# Altium PCB PCB1.PcbDoc (part 1 of 2)
Units mm, origin at the board's own origin, x right, y up, seen from the top; angles counter-clockwise.
Board outline 73 x 86 mm, 2 copper layers (Top Layer, Bottom Layer); 89 components, 65 nets, 355 pads, 98 vias.
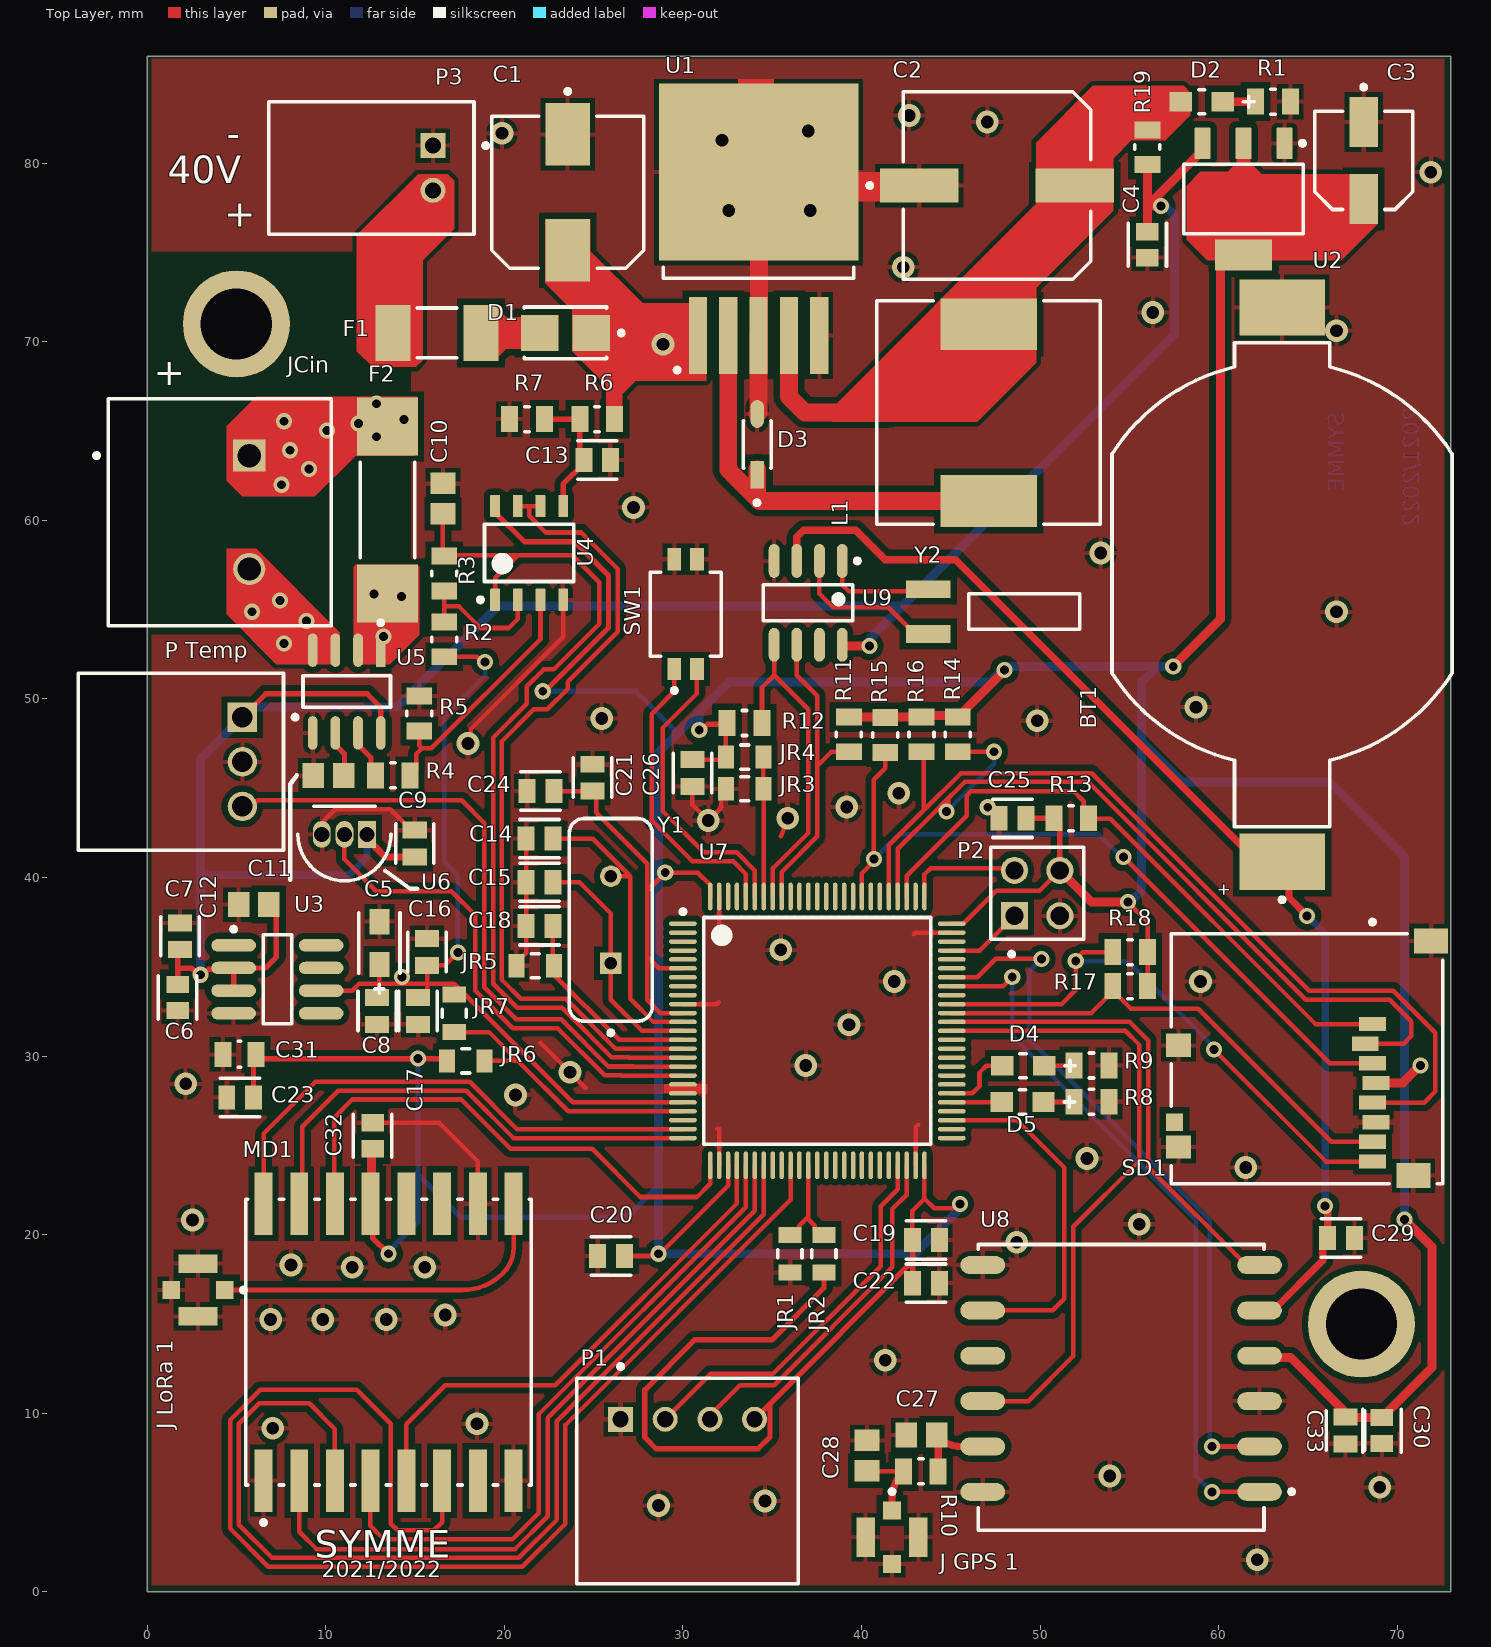
[diagram p0: Top Layer view]
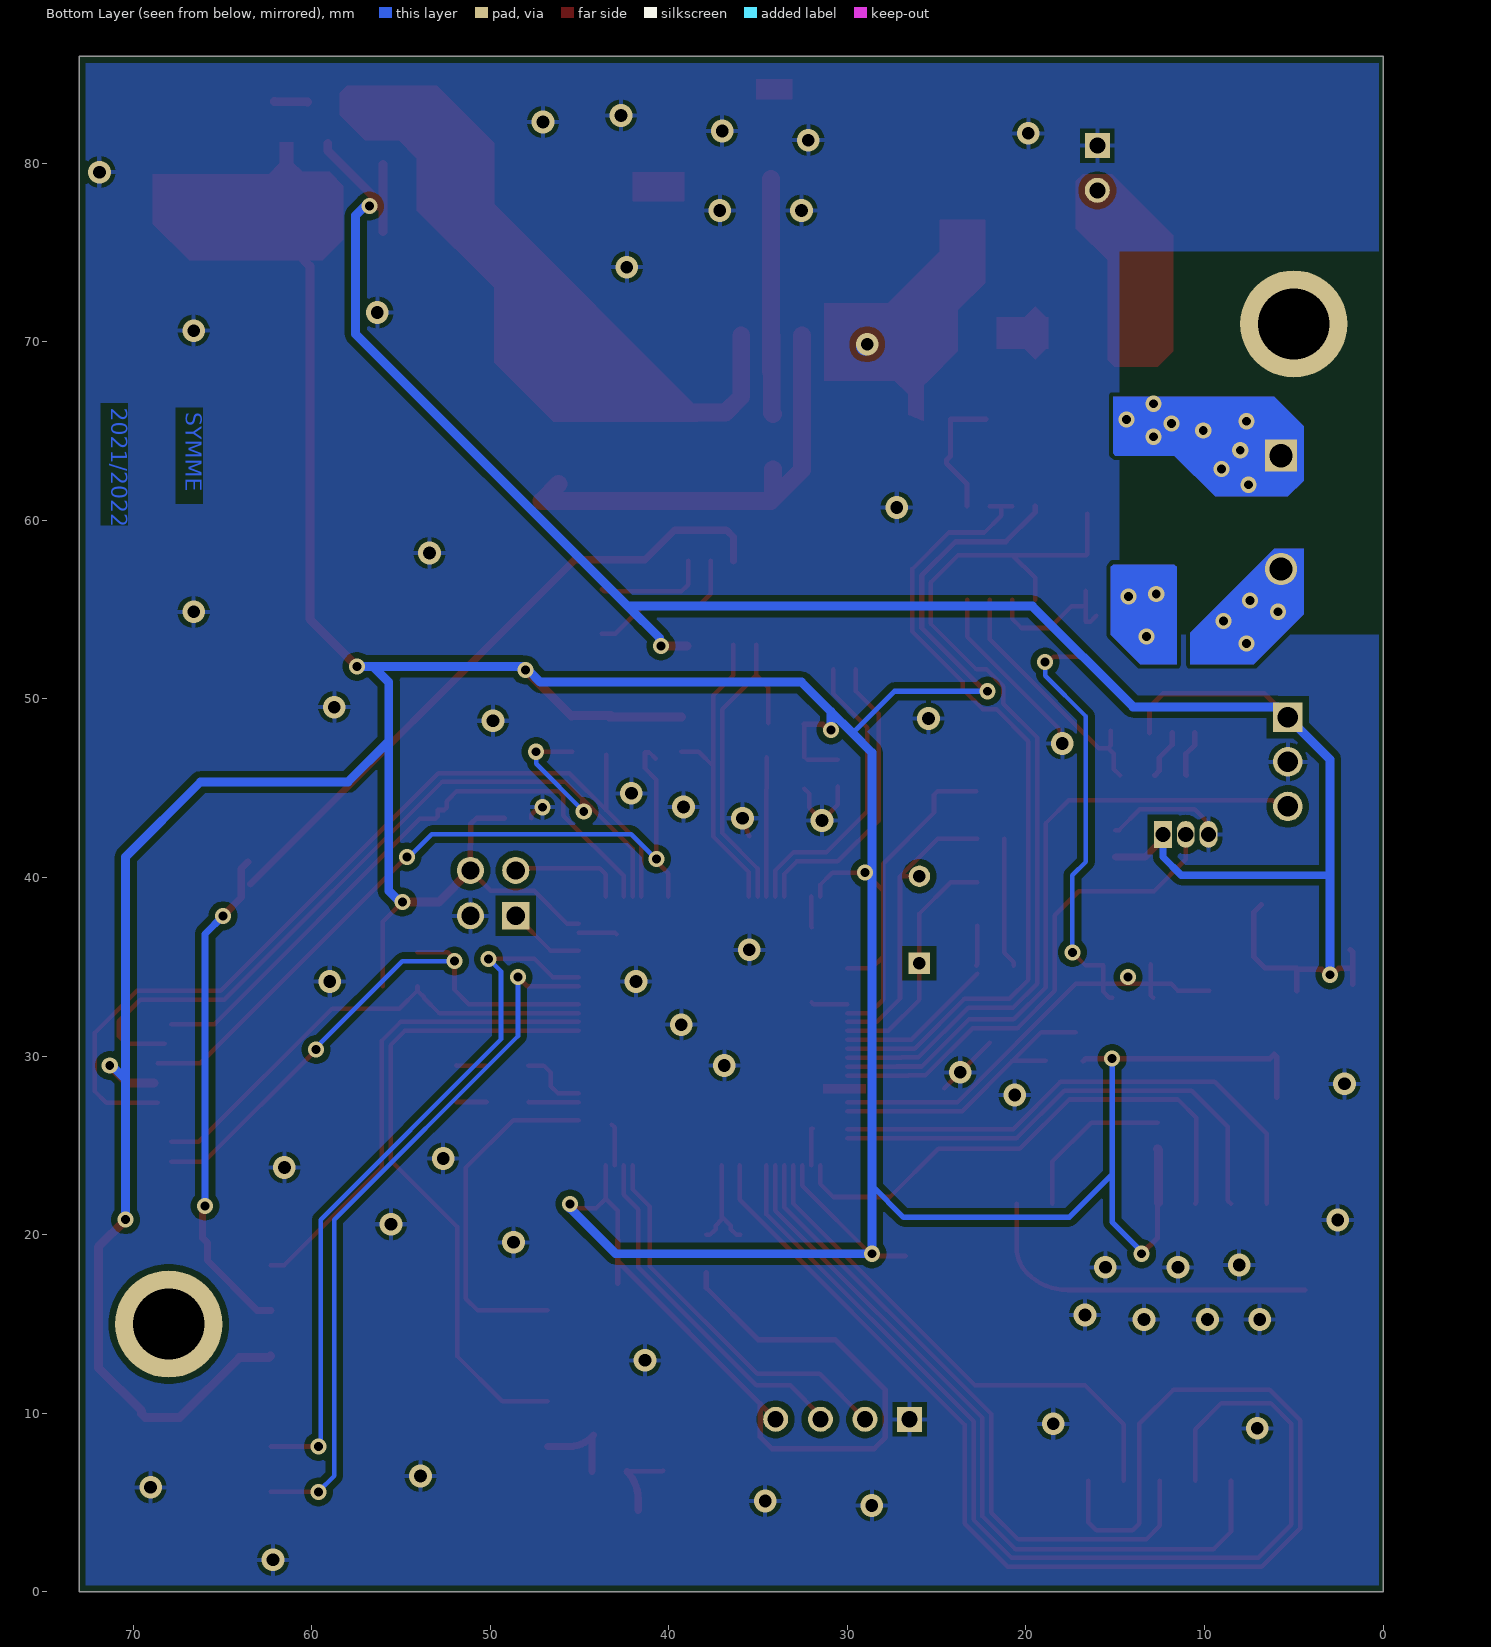
[diagram p1: Bottom Layer view, seen from below]
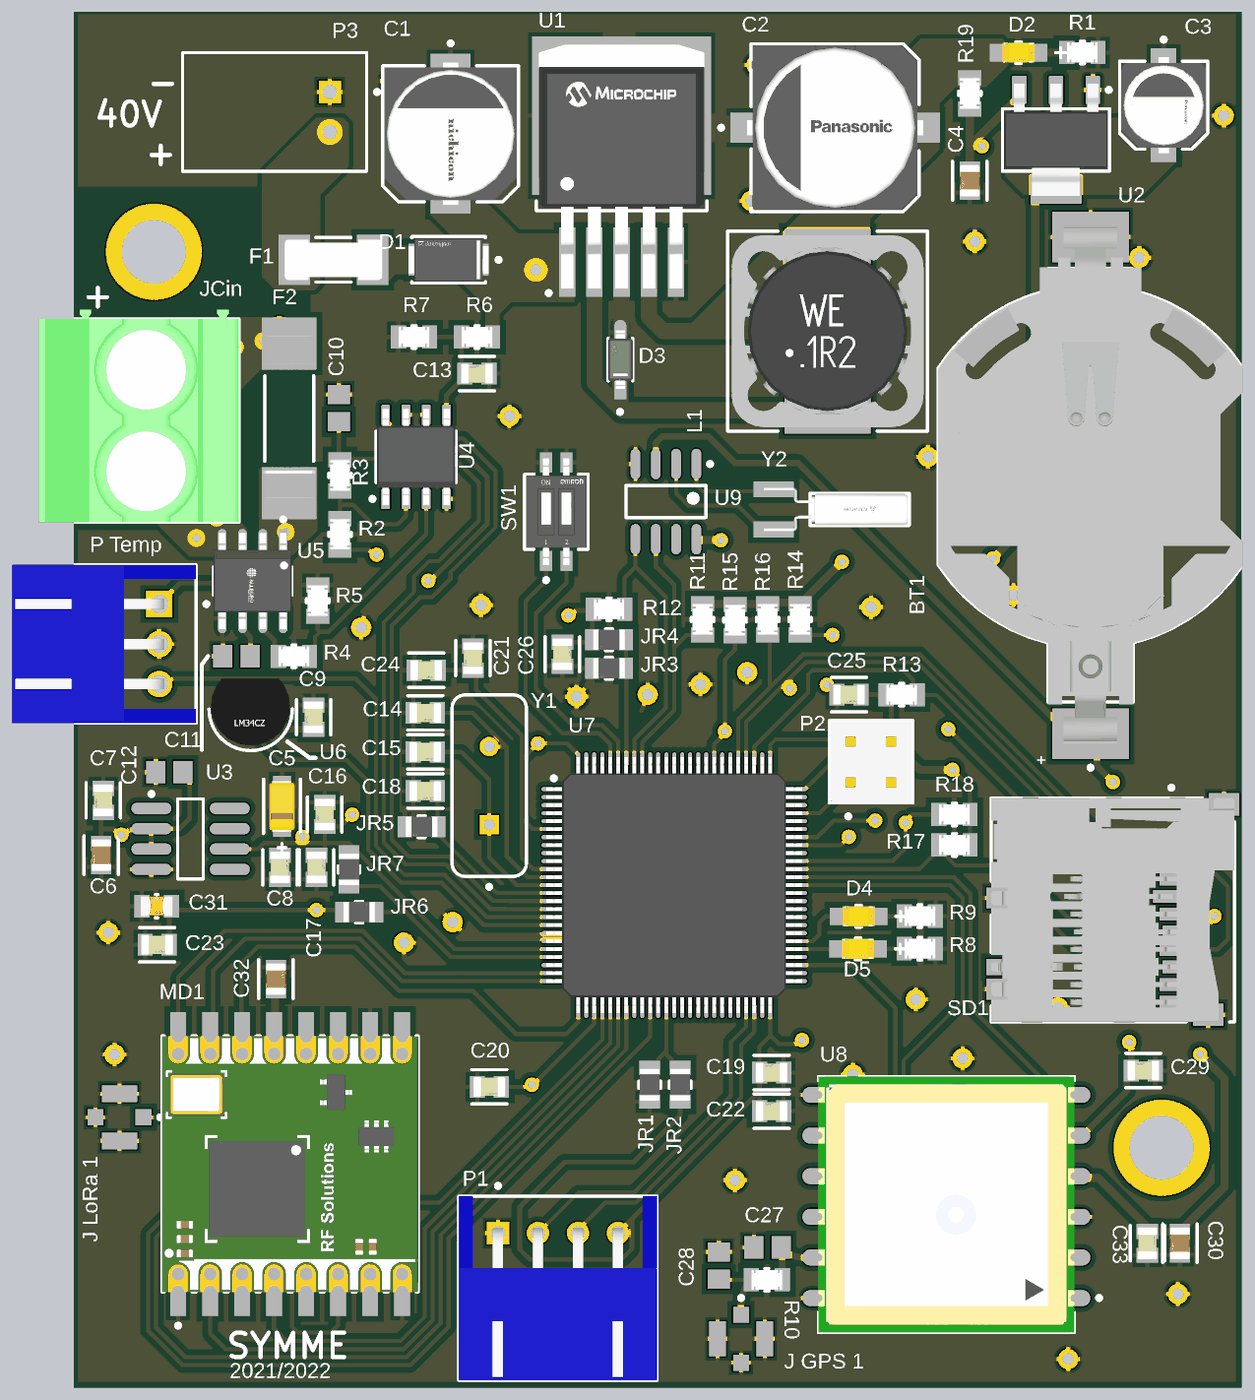
[diagram p3: 3D render of the assembled board from above, using the file's embedded part models]

## Layer stack, top to bottom
Top Solder: solder mask 0.0102, Solder Resist, Dk 3.5
Top Layer: signal copper 0.0356
Dielectric 1: dielectric 0.32, FR-4, Dk 4.8
Bottom Layer: signal copper 0.0356
Bottom Solder: solder mask 0.0102, Solder Resist, Dk 3.5

## Board outline
0,0 73,0 73,86 0,86

## Design rules (kind name [scope] priority, off if disabled: settings)
Clearance [All] p1: gap=0.254 ignorepadtopadclearanceinfootprint=FALSE except(0: Arc-Hole Track-Hole SMDPad-Hole THPad-Hole Via-Hole Fill-Hole Poly-Hole Region-Hole Text-Hole; 0.24: Arc-Arc Arc-Track Arc-SMDPad Track-Track Track-SMDPad SMDPad-SMDPad; 0.35: Arc-Poly Track-Poly SMDPad-Poly THPad-Poly Via-Poly Fill-Poly Poly-Poly)
PolygonConnect [All] p1: connectstyle=Relief reliefconductorwidth=0.254 reliefentries=4 polygonreliefangle="90 Angle" airgapwidth=0.254
RoutingVias [All] p1: holewidth=0.5 width=0.9 viastyle="Through Hole" minholewidth=0.5 minwidth=0.9 maxholewidth=0.5 maxwidth=0.9
SolderMaskExpansion [All] p1: expansion=0.102 istentingtop=FALSE
Width [All] p1: maxlimit=20 minlimit=0.254 preferedwidth=0.3
30 further rules are at their usual default settings.

## Classes and differential pairs
component class SD: R13 R14 R15 R16 R17 R18 SD1
component class RealTime: BT1 R11 R12 U9 Y2
component class Sensors: C9 C10 C11 C12 C13 F2 JCin "P Temp" R2 R3 R4 R5 R6 R7 U4 U5 U6
component class Power: C1 C2 C3 C4 C5 C6 C7 C8 D1 D2 D3 F1 L1 P3 R1 R19 U1 U2 U3
component class LoRa: C31 C32 "J LoRa 1" MD1
component class GPS: C27 C28 C29 C30 C33 "J GPS 1" R10 U8
component class Cpu: C14 C15 C16 C17 C18 C19 C20 C21 C22 C23 C24 C25 C26 D4 D5 JR1 JR2 JR3 JR4 JR5 JR6 JR7 P1 P2 R8 R9 SW1 U7 Y1

## Components (designator, comment, footprint, x,y, rotation, side; value= is the part's Value field where it differs from the comment)
BT1 "796136-1" TECO-796136-1_V 63.555,56.402 r90 top
C1 "100uF" FP-UWT1H101MNL1GS-MFG 23.55,78.373 r270 top
C2 "1000uF" FP-SVPF-F12-MFG 47.585,78.754 r0 top
C3 "100uf" FP-SC-MFG 68.127,80.16 r270 top
C4 "10uF" FP-GRM21B-0_1-IPC_C 56.007,75.438 r270 top
C5 "1uF" FP-T491A105K016AT-MFG 13.009,36.336 r270 top
C6 "10uF" FP-GRM21B-0_1-IPC_C 1.706,33.288 r270 top
C7 "0.1uF" FP-C0805C-DN-MFG 1.833,36.717 r90 top value="100 nF"
C8 "0.1uF" FP-C0805C-DN-MFG 12.882,32.526 r270 top value="100 nF"
C9 "0.1uF" FP-C0805C-DN-MFG 14.986,41.91 r90 top value="100 nF"
C10 "1nF" CAPC2013X70X45NL10T25 16.565,61.228 r270 top value="100 nF"
C11 "1nF" CAPC2013X70X45NL10T25 10.16,45.72 r0 top value="100 nF"
C12 "1nF" CAPC2013X70X45NL10T25 5.969,38.481 r0 top value="100 nF"
C13 "0.1uF" FP-C0805C-DN-MFG 25.201,63.387 r0 top value="100 nF"
C14 "15pF" FP-C0805C-DN-MFG 21.972,42.178 r180 top value="0.10 μF"
C15 "15pF" FP-C0805C-DN-MFG 21.972,39.738 r180 top value="0.10 μF"
C16 "10nF" FP-C0805C-DN-MFG 15.676,35.828 r90 top value="0.10 μF"
C17 "1uF" FP-C0805C-DN-MFG 15.168,32.526 r270 top value="0.10 μF"
C18 "100nF" FP-C0805C-DN-MFG 21.972,37.298 r180 top value="0.10 μF"
C19 "0.1uF" FP-C0805C-DN-MFG 43.616,19.699 r0 top value="0.10 μF"
C20 "0.1uF" FP-C0805C-DN-MFG 25.975,18.81 r180 top value="0.10 μF"
C21 "0.1uF" FP-C0805C-DN-MFG 24.947,45.595 r90 top value="0.10 μF"
C22 "0.1uF" FP-C0805C-DN-MFG 43.616,17.286 r0 top value="0.10 μF"
C23 "0.1uF" FP-C0805C-DN-MFG 5.207,27.686 r180 top value="0.10 μF"
C24 "4.7uF" FP-C0805C-DN-MFG 22.026,44.845 r180 top value="0.10 μF"
C25 "10nF" FP-C0805C-DN-MFG 48.454,43.321 r180 top value="0.10 μF"
C26 "1uF" FP-C0805C-DN-MFG 30.535,45.849 r270 top value="0.10 μF"
C27 "0nF" CAPC2013X70X45NL10T25 43.362,8.777 r0 top
C28 "0nF" CAPC2013X70X45NL10T25 40.314,7.634 r270 top
C29 "0.1uF" FP-C0805C-DN-MFG 66.857,19.826 r0 top value="100 nF"
C30 "10uF" FP-GRM21B-0_1-IPC_C 69.143,9.031 r270 top
C31 "0.1UF 50V" FP-CC0805-0_85-MFG 5.171,30.099 r180 top value="100 nF"
C32 "10uF" FP-GRM21B-0_1-IPC_C 12.628,25.541 r90 top
C33 "0.1uF" FP-C0805C-DN-MFG 67.111,9.031 r270 top value="100 nF"
D1 "1N4007 SMD" FP-1N4007_SMD-IPC_C 23.423,70.499 r180 top
D2 "APT2012MGC" FP-APT2012MGC-MFG 59.055,83.439 r180 top
D3 "1N5819HW-7-F" FP-SOD123-IPC_A 34.163,64.262 r90 top
D4 "APT2012MGC" FP-APT2012MGC-MFG 49.022,27.432 r180 top
D5 "APT2012MGC" FP-APT2012MGC-MFG 49.054,29.464 r180 top
F1 "1.5A" FP-0679H-MFG 16.226,70.499 r0 top value=0.01531Ω
F2 "20A" FP-0456-MFG 13.462,60.579 r270 top value=2.3mΩ
"J GPS 1" "73412-0110" MOLX-73412-0110_V 41.711,3.062 r180 top
"J LoRa 1" "73412-0110" MOLX-73412-0110_V 2.849,16.905 r90 top
JCin "1714955" PHOE-1714955_V 5.715,60.452 r270 top
JR1 "0R" FP-RMCF0805-MFG 35.996,18.937 r270 top
JR2 "0R" FP-RMCF0805-MFG 37.901,18.937 r270 top
JR3 "0R" FP-RMCF0805-MFG 33.456,44.972 r180 top
JR4 "0R" FP-RMCF0805-MFG 33.456,46.75 r180 top
JR5 "NC" FP-RMCF0805-MFG 21.738,35.066 r180 top
JR6 "0R" FP-RMCF0805-MFG 17.835,29.732 r0 top
JR7 "0R" FP-RMCF0805-MFG 17.2,32.399 r270 top
L1 "150 µH" WE-PD-XL 47.117,66.04 r90 top
MD1 "RFM95W-868S2" FP-RFM95W-868S2-MFG 13.517,13.984 r90 top
P1 "USART Interface Port" JST-S4B-XH-A(LF)(SN)_V 30.261,9.666 r0 top
P2 "HTSW-102-07-G-D" FP-HTSW-102-07-G-D-MFG 49.839,39.13 r0 top
P3 "S2B-XH-A(LF)(SN)" JST-S2B-XH-A(LF)(SN)_V 16.002,79.736 r270 top
"P Temp" "S3B-XH-A(LF)(SN)" JST-S3B-XH-A(LF)(SN)_V 5.334,46.482 r270 top
R1 "330R" FP-CRCW0805-E3-MFG 63.047,83.453 r180 top
R2 "5.6K" FP-CRCW0805-E3-MFG 16.637,53.34 r270 top
R3 "5.6K" FP-CRCW0805-E3-MFG 16.637,57.023 r270 top
R4 "5.6K" FP-CRCW0805-e3-MFG 13.757,45.72 r0 top
R5 "5.6K" FP-CRCW0805-e3-MFG 15.24,49.19 r270 top
R6 "510K" FP-CRCW0805-E3-MFG 25.201,65.673 r0 top
R7 "30K" FP-CRCW0805-E3-MFG 21.264,65.673 r0 top
R8 "330R" FP-CRCW0805-e3-MFG 52.887,27.446 r180 top
R9 "330R" FP-CRCW0805-e3-MFG 52.887,29.478 r180 top
R10 "0R" FP-CRCW0805-e3-MFG 43.321,6.745 r180 top
R11 "10K" FP-CRCW0805-e3-MFG 39.298,48.02 r90 top
R12 "10K" FP-CRCW0805-E3-MFG 33.456,48.655 r180 top
R13 "10K" FP-CRCW0805-E3-MFG 51.744,43.321 r0 top
R14 "10K" FP-CRCW0805-E3-MFG 45.394,48.02 r270 top
R15 "10K" FP-CRCW0805-E3-MFG 41.33,47.979 r270 top
R16 "10K" FP-CRCW0805-E3-MFG 43.362,48.02 r270 top
R17 "10K" FP-CRCW0805-E3-MFG 55.046,33.923 r180 top
R18 "10K" FP-CRCW0805-E3-MFG 55.046,35.828 r180 top
R19 "0R" FP-CRCW0805-e3-MFG 56.007,80.899 r270 top
SD1 "473521001" MOLX-473521001_V 64.952,29.859 r90 top
SW1 "A6H-2102" FP-A6H-2102-MFG 30.154,54.751 r0 top
U1 "LM2576-5.0WU" FP-TO263-5LD-PL-1-MFG 34.241,78.148 r0 top
U2 "LM1117IMP-3.3/NOPB" DCY0004A_N 61.396,77.992 r270 top
U3 "REF192GSZ" ADI-R-8_M 7.294,34.304 r0 top
U4 "LM358MX/NOPB" D0008A_L 21.391,58.18 r90 top
U5 "ACS712ELCTR-20A-T" FP-LC-8-IPC_C 11.176,50.419 r270 top
U6 "LM34CZ/NOPB" FP-LP0003A-MFG 11.049,41.91 r90 top
U7 "STM32F103VET6TR" STM-LQFP100_L 37.528,31.415 r0 top
U8 "L80-M39" QUEC-L80-M39-12_V 54.541,11.452 r180 top
U9 "DS1307Z+T&R" S8+2_L 37.012,55.386 r270 top
Y1 "8Mhz" FOX-FOXSLF080-20 25.963,37.633 r90 top
Y2 "AB26TRB-32.768KHZ-T" FP-AB26TRB-MFG 49.118,54.898 r180 top

## Footprints (in the part's own frame and the unit in brackets; to place one, negate y for a bottom-side part, rotate by r counter-clockwise, add the part's x,y. Pads: shape width x height; smd on the part's side, far side on the other; paste and mask are expansions set on the pad)
ADI-R-8_M [mm] "SOIC, 8-Leads, Body 4.9x3.9mm, Pitch 1.27mm, IPC Low Density"
  oval 2.5x0.7 smd: 1(-2.45,1.905) 2(-2.45,0.635) 3(-2.45,-0.635) 4(-2.45,-1.905) 5(2.45,-1.905) 6(2.45,-0.635) 7(2.45,0.635) 8(2.45,1.905)
  silkscreen extent -2.57,-2.5 0.8,2.93, body extent -2,-2.5 2,2.5, height 1.75
CAPC2013X70X45NL10T25 [mm] "Chip Capacitor, 2-Leads, Body 2.00x1.25mm, IPC Medium Density"
  rect 1.2x1.4 smd: 1(-0.85,0) 2(0.85,0)
  body extent -1.05,-0.67 1.05,0.67, height 0.7
D0008A_L [mm] "SOIC, 8-Leads, Body 5x4mm, Pitch 1.27mm, IPC High Density"
  rrect18% 1.25x0.55 smd: 1(-2.625,1.905) 2(-2.625,0.635) 3(-2.625,-0.635) 4(-2.625,-1.905) 5(2.625,-1.905) 6(2.625,-0.635) 7(2.625,0.635) 8(2.625,1.905)
  silkscreen extent -2.75,-2.5 1.6,2.85, body extent -3,-2.45 3,2.45, height 1.63
DCY0004A_N [mm] "SOT223, 4-Leads, Body 6.7x3.7mm, Pitch 2.3mm, IPC Medium Density"
  rrect11% 1.75x0.9 smd: 1(-3.125,2.3) 2(-3.125,0) 3(-3.125,-2.3)
  rrect6% 1.75x3.2 smd: 4(3.125,0)
  silkscreen extent -3.25,-3.35 1.95,3.43, body extent -3.5,-3.25 3.5,3.25, height 1.62
FOX-FOXSLF080-20 [mm] "THD, 2-Leads, Body 11.35x4.65mm"
  rect 1.2x1.2 hole 0.7: 1(-2.44,0)
  round 1.2 hole 0.7: 2(2.44,0)
  silkscreen extent -6.45,-2.32 5.68,2.32, body extent -5.67,-2.32 5.68,2.33, height 3.6
FP-1N4007_SMD-IPC_C [mm]
  rect 2.1x2 smd paste+0 mask+0: 1(-1.45,0) 2(1.45,0)
  silkscreen extent -3.25,-1.45 2.3,1.45, body extent -2.6,-1.55 2.6,1.55, height 0.25
FP-0456-MFG [mm]
  rect 3.25x3.43 smd paste+0 mask+0: 1(-4.675,0) 2(4.675,0)
  silkscreen extent -2.68,-1.53 2.67,1.53, body extent -6.4,-1.82 6.4,1.82, height 0.25
FP-0679H-MFG [mm]
  rect 1.96x3.15 smd paste+0 mask+0: 1(-2.455,0) 2(2.455,0)
  silkscreen extent -1.1,-1.4 1.1,1.4, body extent -3.53,-1.68 3.53,1.68, height 0.25
FP-A6H-2102-MFG [mm]
  rect 0.76x1.25 smd paste+0 mask+0: 1(-0.635,-3.075) 2(0.635,-3.075) 3(0.635,3.075) 4(-0.635,3.075)
  silkscreen extent -1.98,-4.4 1.98,2.35, body extent -2.08,-3.8 2.08,3.8, height 0.25
FP-AB26TRB-MFG [mm]
  rect 2.5x1 smd paste+0 mask+0: 1(5.375,1.25) 2(5.375,-1.25)
  silkscreen extent -3.1,-1 3.1,1, body extent -3,-1.37 6,1.37, height 2
FP-APT2012MGC-MFG [mm]
  rect 1.25x1.1 smd paste+0 mask+0: 1(-1.175,0) 2(1.175,0)
  silkscreen extent -2.93,-0.67 0.18,0.67, body extent -1.9,-0.77 1.9,0.77, height 0.25
FP-C0805C-DN-MFG [mm]
  rect 0.95x1.35 smd paste+0 mask+0: 1(-0.75,0) 2(0.75,0)
  silkscreen extent -1.1,-1.07 1.1,1.07, body extent -1.4,-0.85 1.4,0.85, height 0.25
FP-CC0805-0_85-MFG [mm]
  rect 0.95x1.4 smd paste+0 mask+0: 1(-0.925,0) 2(0.925,0)
  silkscreen extent -0.08,-0.72 0.08,0.72, body extent -1.6,-1.05 1.6,1.05, height 0.25
FP-CRCW0805-E3-MFG [mm]
  rect 0.95x1.45 smd paste+0 mask+0: 1(-0.975,0) 2(0.975,0)
  silkscreen extent -0.13,-0.7 0.13,0.7, body extent -1.55,-0.82 1.55,0.82, height 0.25
FP-CRCW0805-e3-MFG [mm]
  rect 0.95x1.45 smd paste+0 mask+0: 1(-0.975,0) 2(0.975,0)
  silkscreen extent -0.13,-0.7 0.13,0.7, body extent -1.55,-0.82 1.55,0.82, height 0.25
FP-GRM21B-0_1-IPC_C [mm]
  rect 0.958x1.262 smd paste+0 mask+0: 1(-0.727,0) 2(0.727,0)
  silkscreen extent -1.21,-1.07 1.21,1.07, body extent -1.31,-0.77 1.31,0.77, height 0.25
FP-HTSW-102-07-G-D-MFG [mm]
  rect 1.52x1.52 hole 1.02 paste-1000 mask+0: 1(-1.27,-1.27)
  round 1.52 hole 1.02 paste-1000 mask+0: 2(-1.27,1.27) 3(1.27,-1.27) 4(1.27,1.27)
  silkscreen extent -2.6,-3.54 2.6,2.58, body extent -2.7,-2.68 2.7,2.68, height 0.25
FP-LC-8-IPC_C [mm]
  rect 1.874x0.542 smd paste+0 mask+0: 1(-2.316,1.905)
  rrect100% 1.874x0.542 smd paste+0 mask+0: 2(-2.316,0.635) 3(-2.316,-0.635) 4(-2.316,-1.905) 5(2.316,-1.905) 6(2.316,-0.635) 7(2.316,0.635) 8(2.316,1.905)
  silkscreen extent -3.97,-2.45 0.88,2.45, body extent -3.35,-2.55 3.35,2.55, height 0.25
FP-LP0003A-MFG [mm]
  rect 1.5x1 hole 0.85 paste-1000 mask+0: 1(0.51,-1.27)
  rrect100% 1.5x1 hole 0.85 paste-1000 mask+0: 2(0.51,0) 3(0.51,1.27)
  silkscreen extent -2.09,-2.6 2.09,2.6, body extent -2.19,-2.71 2.19,2.71, height 0.25
FP-RFM95W-868S2-MFG [mm]
  rect 3.5x1 smd paste+0 mask+0: 1(-7.75,7) 2(-7.75,5) 3(-7.75,3) 4(-7.75,1) 5(-7.75,-1) 6(-7.75,-3) 7(-7.75,-5) 8(-7.75,-7) 9(7.75,-7) 10(7.75,-5) 11(7.75,-3) 12(7.75,-1) 13(7.75,1) 14(7.75,3) 15(7.75,5) 16(7.75,7)
  silkscreen extent -10.22,-8 8,8, body extent -9.6,-8.1 9.6,8.1, height 0.25
FP-RMCF0805-MFG [mm]
  rect 0.9x1.3 smd paste+0 mask+0: 1(-1.05,0) 2(1.05,0)
  silkscreen extent -0.23,-0.67 0.23,0.67, body extent -1.6,-0.77 1.6,0.77, height 0.25
FP-SC-MFG [mm]
  rect 2.8x1.6 smd paste+0 mask+0: 1(-2.15,0) 2(2.15,0)
  silkscreen extent -4.22,-2.75 2.75,2.75, body extent -3.8,-3 3.8,3, height 0.25
FP-SOD123-IPC_A [mm]
  rect 1.557x0.742 smd paste+0 mask+0: 1(-1.7,0)
  rrect100% 1.557x0.742 smd paste+0 mask+0: 2(1.7,0)
  silkscreen extent -3.39,-0.77 1.33,0.77, body extent -2.98,-1.28 2.98,1.28, height 0.25
FP-SVPF-F12-MFG [mm]
  rect 4.4x1.9 smd paste+0 mask+0: 1(-4.35,0) 2(4.35,0)
  silkscreen extent -7.25,-5.25 5.25,5.25, body extent -6.8,-5.5 6.8,5.5, height 0.25
FP-T491A105K016AT-MFG [mm]
  rect 1.42x1.13 smd paste+0 mask+0: 1(-1.2,0) 2(1.2,0)
  silkscreen extent -1.7,-1.15 2.82,1.15, body extent -2.03,-1.02 2.03,1.02, height 0.25
FP-TO263-5LD-PL-1-MFG [mm]
  rect 1.02x4.32 smd paste+0 mask+0: 1(-3.4,-7.79) 2(-1.7,-7.79) 3(0,-7.79) 4(1.7,-7.79) 5(3.4,-7.79)
  rect 11.18x9.91 smd paste+0 mask+0: 6(0,1.355)
  silkscreen extent -5.33,-9.86 5.33,-3.98, body extent -5.69,-10.05 5.69,6.41, height 0.25
FP-UWT1H101MNL1GS-MFG [mm]
  rect 3.5x2.5 smd paste+0 mask+0: 1(-3.25,0) 2(3.25,0)
  silkscreen extent -5.77,-4.25 4.25,4.25, body extent -5.25,-4.5 5.25,4.5, height 0.25
JST-S2B-XH-A(LF)(SN)_V [mm] "Header, 2-Leads, Body 7.4x11.5mm, Pitch 2.5mm"
  rect 1.4x1.4 hole 0.9: 1(-1.25,0)
  round 1.4 hole 0.9: 2(1.25,0)
  silkscreen extent -3.7,-9.2 3.7,3.08, body extent -3.7,-9.2 3.7,2.3, height 6.1
JST-S3B-XH-A(LF)(SN)_V [mm] "Header, 3-Leads, Body 9.9x11.5mm, Pitch 2.5mm"
  rect 1.65x1.65 hole 1.15: 1(-2.5,0)
  round 1.65 hole 1.15: 2(0,0) 3(2.5,0)
  silkscreen extent -4.95,-9.2 4.95,3.08, body extent -4.95,-9.2 4.95,2.3, height 6.15
JST-S4B-XH-A(LF)(SN)_V [mm] "Header, 4-Leads, Body 12.4x11.5mm, Pitch 2.5mm"
  rect 1.4x1.4 hole 0.9: 1(-3.75,0)
  round 1.4 hole 0.9: 2(-1.25,0) 3(1.25,0) 4(3.75,0)
  silkscreen extent -6.2,-9.2 6.2,3.08, body extent -6.2,-9.2 6.2,2.3, height 6.15
MOLX-73412-0110_V [mm] "MCRF, 4-Leads, Body 2.6x2.6mm"
  rect 1x1 smd: 1(0,-1.5) 3(0,1.5)
  rect 1.05x2.2 smd: 2(-1.475,0) 4(1.475,0)
  silkscreen extent -0.13,-2.67 0.12,-2.43, body extent -1.3,-1.3 1.3,1.3, height 1.3
MOLX-473521001_V [mm] "SMD, 8-Leads, Body 15.2x14mm, Pitch 1.1mm"
  rect 0.8x1.5 smd: 1(1.94,-3.66) 2(0.84,-3.26) 3(-0.26,-3.66) 4(-1.36,-3.86) 5(-2.46,-3.66) 6(-3.56,-3.86) 7(-4.66,-3.66) 8(-5.76,-3.66)
  rect 1x0.95 smd: 9(-3.56,7.425)
  rect 1.3x1.4 smd: 10(-4.95,7.2) 11(0.75,7.2)
  rect 1.4x1.9 smd: 12(6.6,-6.95) 13(-6.55,-5.95)
  silkscreen extent -7,-7.6 7.77,7.6, body extent -7.05,-7.6 7.05,7.6, height 1.85
PHOE-1714955_V [mm] "Terminal Block, 2-Leads, Body 12.7x12.5mm, Pitch 6.35mm"
  rect 1.8x1.8 hole 1.3: 1(-3.175,0)
  round 1.8 hole 1.3: 2(3.175,0)
  silkscreen extent -6.35,-8.67 6.35,4.6, body extent -6.92,-7.9 6.35,4.6, height 21.51
QUEC-L80-M39-12_V [mm] "SMD, 12-Leads, Body 16x16mm, Pitch 2.54mm"
  rrect100% 2.5x1 smd: 1(-7.75,5.85) 2(-7.75,3.31) 3(-7.75,0.77) 4(-7.75,-1.77) 5(-7.75,-4.31) 6(-7.75,-6.85) 7(7.75,-6.85) 8(7.75,-4.31) 9(7.75,-1.77) 10(7.75,0.77) 11(7.75,3.31) 12(7.75,5.85)
  silkscreen extent -9.68,-8 8,8, body extent -8,-8 8,8, height 7.05
S8+2_L [mm] "SOIC, 8-Leads, Body 4.9x3.9mm, Pitch 1.27mm, IPC High Density"
  oval 1.9x0.6 smd: 1(-2.35,1.905) 2(-2.35,0.635) 3(-2.35,-0.635) 4(-2.35,-1.905) 5(2.35,-1.905) 6(2.35,-0.635) 7(2.35,0.635) 8(2.35,1.905)
  silkscreen extent -2.47,-2.5 1,2.88, body extent -2,-2.5 2,2.5, height 1.75
STM-LQFP100_L [mm] "Thin QFP, 100-Leads, Body 14x14mm, Pitch 0.5mm, IPC High Density"
  oval 1.55x0.25 smd: 1(-7.525,6) 2(-7.525,5.5) 3(-7.525,5) 4(-7.525,4.5) 5(-7.525,4) 6(-7.525,3.5) 7(-7.525,3) 8(-7.525,2.5) 9(-7.525,2) 10(-7.525,1.5) 11(-7.525,1) 12(-7.525,0.5) 13(-7.525,0) 14(-7.525,-0.5) 15(-7.525,-1) 16(-7.525,-1.5) 17(-7.525,-2) 18(-7.525,-2.5) 19(-7.525,-3) 20(-7.525,-3.5) 21(-7.525,-4) 22(-7.525,-4.5) 23(-7.525,-5) 24(-7.525,-5.5) 25(-7.525,-6) 51(7.525,-6) 52(7.525,-5.5) 53(7.525,-5) 54(7.525,-4.5) 55(7.525,-4) 56(7.525,-3.5) 57(7.525,-3) 58(7.525,-2.5) 59(7.525,-2) 60(7.525,-1.5) 61(7.525,-1) 62(7.525,-0.5) 63(7.525,0) 64(7.525,0.5) 65(7.525,1) 66(7.525,1.5) 67(7.525,2) 68(7.525,2.5) 69(7.525,3) 70(7.525,3.5) 71(7.525,4) 72(7.525,4.5) 73(7.525,5) 74(7.525,5.5) 75(7.525,6)
  oval 0.25x1.55 smd: 26(-6,-7.525) 27(-5.5,-7.525) 28(-5,-7.525) 29(-4.5,-7.525) 30(-4,-7.525) 31(-3.5,-7.525) 32(-3,-7.525) 33(-2.5,-7.525) 34(-2,-7.525) 35(-1.5,-7.525) 36(-1,-7.525) 37(-0.5,-7.525) 38(0,-7.525) 39(0.5,-7.525) 40(1,-7.525) 41(1.5,-7.525) 42(2,-7.525) 43(2.5,-7.525) 44(3,-7.525) 45(3.5,-7.525) 46(4,-7.525) 47(4.5,-7.525) 48(5,-7.525) 49(5.5,-7.525) 50(6,-7.525) 76(6,7.525) 77(5.5,7.525) 78(5,7.525) 79(4.5,7.525) 80(4,7.525) 81(3.5,7.525) 82(3,7.525) 83(2.5,7.525) 84(2,7.525) 85(1.5,7.525) 86(1,7.525) 87(0.5,7.525) 88(0,7.525) 89(-0.5,7.525) 90(-1,7.525) 91(-1.5,7.525) 92(-2,7.525) 93(-2.5,7.525) 94(-3,7.525) 95(-3.5,7.525) 96(-4,7.525) 97(-4.5,7.525) 98(-5,7.525) 99(-5.5,7.525) 100(-6,7.525)